# Altium PCB Board.PcbDoc (part 2 of 2)
Units mil, origin at the board's own origin, x right, y up, seen from the top; angles counter-clockwise.
Board outline 1037 x 1968 mil, 4 copper layers (Top Layer, GND, PWR, Bottom Layer), stack 23.756 mil thick; 83 components, 64 nets, 353 pads, 191 vias.
Unrouted connection lines stored in the file: 13.
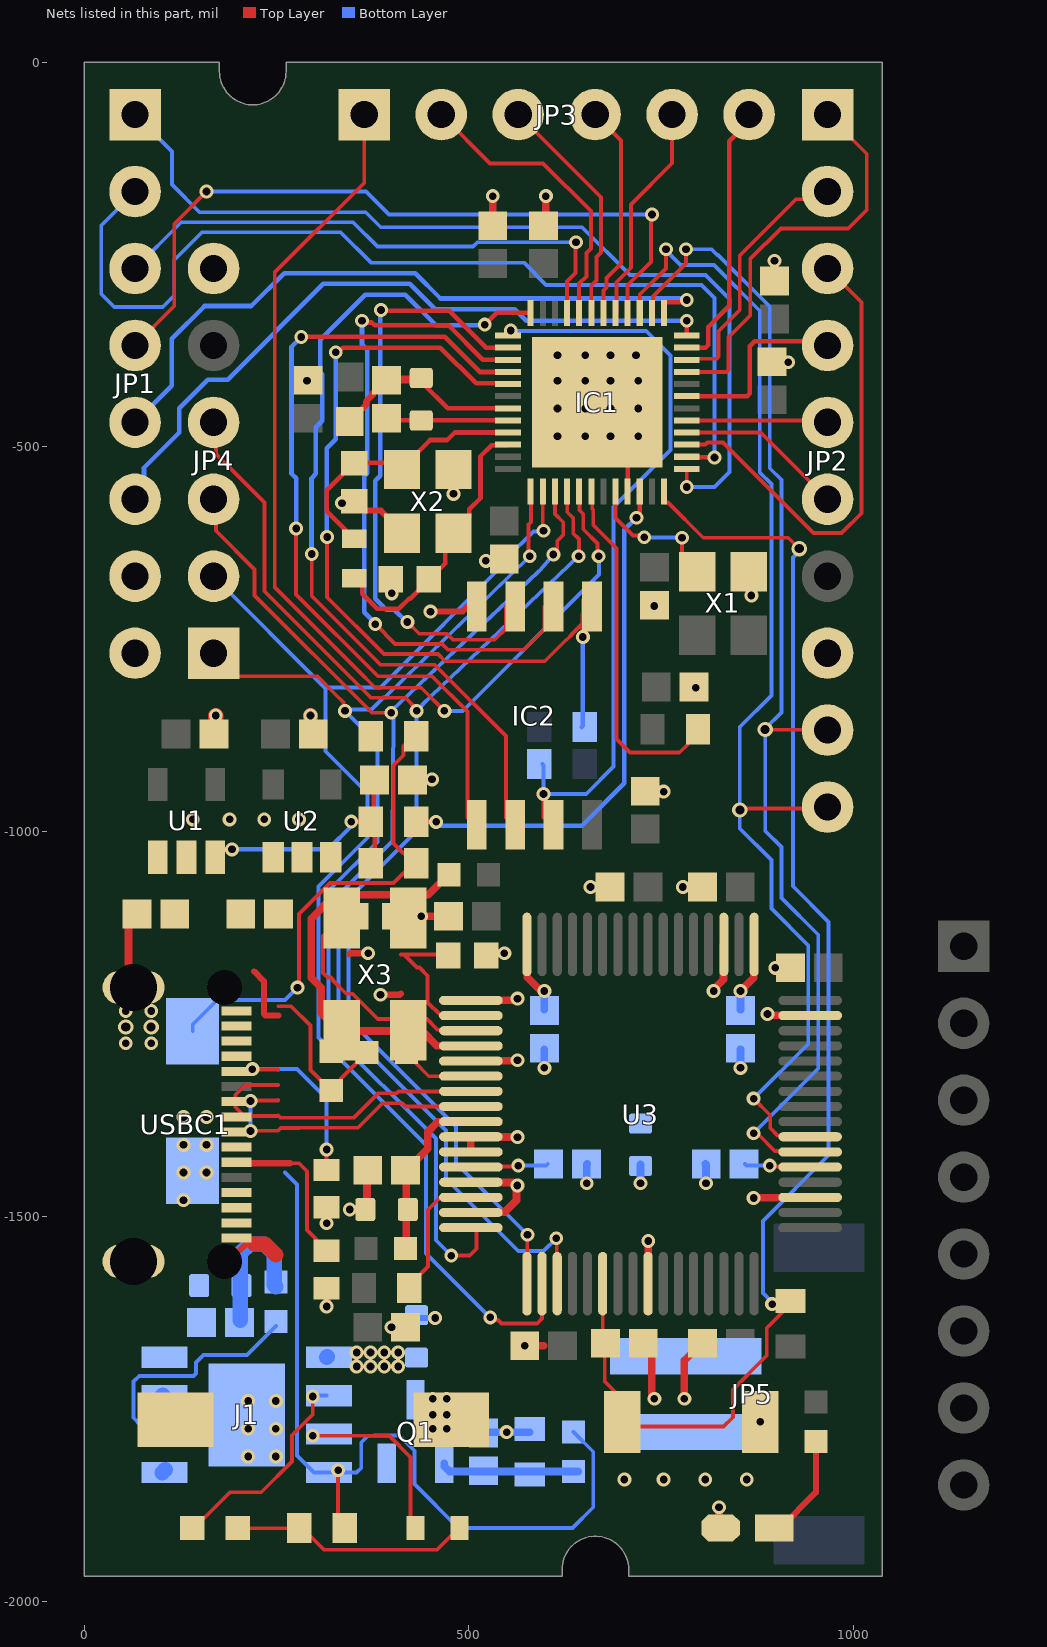
[diagram p4: the nets of this part, all layers, seen from the top]

## Via types
v1: diameter 17.99, hole 10, Top Layer to Bottom Layer, 168 vias
v2: diameter 18, hole 10, Top Layer to Bottom Layer, 18 vias
v3: diameter 19.68, hole 11.81, Top Layer to Bottom Layer, 5 vias

## Nets (pads, with @x,y where several pads share a name; then routed paths per layer and width w, separated by ;. In a path a pad name is that pad's centre, name@x,y a point inside that pad or via, vN(x,y) a via of type N, cw(c..) or ccw(c..) an arc to the next point about the centre after c; other vN are vias at no path point) (continued)
GND: C2.2 C3.2 C5.1 C7.2 C8.2 C10.1 C11.1 C14.1 C15.1 C16.1 C17.1 C18.1 C20.1 C21.1 C22.1 C23.2 C24.1 C25.1 C26.1 C27.1 C28.1 C29.1 C30.1 C31.1 C32.1 C33.1 C35.1 C36.1 C37.1 C38.1 C39.1 C40.1 C41.1 C42.1 C44.1 C45.1 C46.1 C47.1 IC1.21 IC1.49 IC2.4 J1.1 J1.3 J1.9 JP1.8 JP2.8 JP4.6 JP5.1 LED1.2 R12.1 R19.1 R20.1 R21.1 R24.1 SW2.2 U1.2 U2.2 U3.1 U3.5 U3.10 U3.11 U3.13 U3.15 U3.25 U3.35 U3.47 U3.51 USBC1.1 USBC1.2 USBC1.3 USBC1.4 USBC1.A1 USBC1.A12 USBC1.B1 USBC1.B12 X1.2 X2.2 X2.4 X3.2 X3.4 | length 2626.6
  Top Layer w5: 252.12,-1226.89 268.85,-1226.89 294,-1252.03 294,-1309.59 C35.1@321,-1336.59 333.5,-1324.09 333.5,-1320.91 R12.1@367.41,-1287
  Top Layer w6: IC1.49@666.86,-441.88 706.23,-481.25 IC1.21@706.23,-558.02
  Top Layer w8: USBC1.2@192,-1553.59 209.65,-1535.94 220.68,-1535.94 ; 220.68,-1181.61 233.48,-1194.41 233.48,-1236.79 235.39,-1238.7 252.12,-1238.7 ; v1(289.4,-414) C11.1@291,-412.41 ; v1(335,-573) 349.6,-573 351,-571.59 362,-582.59 385.63,-582.59 413.07,-610.03 X2.2@413.07,-612 ; 344.54,-1159.41 345.94,-1158 v1(369,-1158) ; v1(385.16,-1212) 410.06,-1212 411.46,-1210.59 ; C24.1@397.41,-672 399.56,-674.15 v1(399.56,-690.31) ; v1(450,-714) 491.54,-714 IC2.4@498,-707.54 ; v1(480,-561) X2.4@480,-529.32 ; v1(522,-648) 535,-648 535,-636 C15.1@535.5,-635.5 ; X1.2@864,-661.32 867,-664.32 v1(867,-693) ; SW2.2@871.68,-1767 v2(878.57,-1767)
  Top Layer w10: USBC1.3@57.3,-1181.61 57.41,-1181.49 57.41,-1117 C2.2@67.41,-1107 ; v2(315,-1617) R19.1@315,-1594.6 ; v2(315,-1509) R20.1@315,-1489.6 ; v1(345,-1491) C25.1@367.4,-1491 ; C25.1@367.41,-1488.41 C26.1@367.41,-1449 ; v1(399.41,-1644) C41.1@418.59,-1644 ; X3.2@403.59,-1110 C33.1@472.4,-1110 ; C14.1@427.59,-933 428.59,-932 v1(452,-932) ; U3.15@502.53,-1494.95 502.87,-1494.61 546.23,-1494.61 561.84,-1479 v1@561.84,-1458.16 ; U3.13@502.53,-1455.58 502.87,-1455.93 556.66,-1455.93 560.71,-1459.98 v1(562.87,-1459.98) ; U3.11@502.53,-1416.21 U3.10@502.53,-1396.53 502.76,-1396.76 562.76,-1396.76 v1(563,-1397) ; U3.5@502.53,-1298.1 502.87,-1297.76 562.24,-1297.76 v1(563,-1297) ; U3.1@502.53,-1219.36 502.87,-1219.02 558.82,-1219.02 560.84,-1217 v1(563,-1217) ; C39.1@523.59,-1161 526.59,-1158 v2(546,-1158) ; C18.1@531,-211.4 v1(531,-174) ; v1(572.59,-1668) 597,-1668 ; C10.1@585,-216 600,-201 v1(600,-174) ; v1(658,-1072) C28.1@682.4,-1072 ; C21.1@727.59,-1665 737.59,-1675 737.59,-1731.43 741,-1734.84 v1(741,-1737) ; C23.2@729,-946.41 730.59,-948 v2(753,-948) ; U3.25@732.84,-1587.47 732.92,-1587.39 732.92,-1532.08 v1(733,-1532) ; v1(778,-1072) C36.1@802.4,-1072 ; v1(780,-1737) 780,-1687.41 C27.1@802.41,-1665 ; C20.1@793.59,-812 v1(794.6,-813) ; v1(818,-1207) 818,-1204.84 830.92,-1191.91 830.92,-1146.87 U3.51@831.27,-1146.53 ; v2(825,-1878) 825,-1903 LED1.2@827,-1905 ; v1(870,-1476) 870.39,-1475.61 943.13,-1475.61 U3.35@943.47,-1475.27 ; v1(888,-1237) 890.16,-1237 891.87,-1238.7 943.13,-1238.7 U3.47@943.47,-1239.05 ; C5.1@894,-388.41 895.59,-390 v1(915,-390) ; C17.1@897,-283.4 v1(897,-258) ; v1(898,-1177) C29.1@916.82,-1177
  Top Layer w20: C3.2@169.59,-873 171,-871.59 v2(171,-849) ; 220.68,-1535.94 234.97,-1535.94 249,-1549.97 ; v2(294,-849) 294,-868.42 C8.2@298.59,-873
  Bottom Layer w8: C46.1@432,-1630.41 433.6,-1632 v2(456,-1632)
  Bottom Layer w10: C47.1@519,-1780.41 R24.1@579,-1780.41 ; v1(598,-1307) C30.1@598,-1282.6 ; v1(653,-1457) 653,-1432.6 C32.1@653.59,-1432 ; v1(723,-1457) C37.1@723,-1432.6 ; C31.1@807.41,-1432 808,-1432.59 v1(808,-1457) ; v1(853,-1307) C38.1@853,-1282.6
  Bottom Layer w20: J1.1@101.46,-1833 J1.1@105.24,-1829.22 ; J1.3@101.46,-1733 J1.3@102,-1732.46 ; C45.1@202.59,-1635 202.59,-1548.52 215.17,-1535.94 234.13,-1535.94 246.71,-1548.52 246.71,-1589.11 249,-1591.41
  other v1: 702,-1842 753,-1842 807,-1842 861,-1842 213,-1812 249,-1812 549,-1780.41 213,-1776 249,-1776 213,-1740 249,-1740 141,-984 189,-984 234,-984 279,-984 741,-706.6 615,-486 651,-486 684,-486 720,-486 615,-450 651,-450 684,-450 720,-450 615,-414 651,-414 684,-414 720,-414 615,-381 651,-381 684,-381 717,-381
  other v2: 438,-1110
HF_U1_RX: IC1.45 JP1.3 | length 709.7
  Top Layer w5: IC1.45@627.49,-325.74 627.49,-285.08 638.48,-274.09 638.48,-265.6 638.55,-265.53 638.55,-234.45 v1(639,-234)
  Bottom Layer w5: JP1.3@66,-268 126,-208 349.5,-208 381,-239.5 505.49,-239.5 510.99,-234 v1(639,-234)
HF_U1_TX: IC1.40 JP1.4 | length 970.8
  Top Layer w5: JP1.4@66,-368 117,-317 117,-210 v1(159,-168) ; IC1.40@706.23,-325.74 706.23,-289.77 736.5,-259.5 736.5,-199.5 v1(738,-198)
  Bottom Layer w5: v1(159,-168) 366,-168 396,-198 v1(738,-198)
I2C_SCL: IC1.37 JP1.5 | length 891.5
  Top Layer w6: IC1.37@753.47,-325.74 753.47,-312.94 754.41,-312.01 776.74,-312.01 779.75,-309 v1(783,-309)
  Bottom Layer w6: JP1.5@66,-468 113.62,-420.38 113.62,-359.5 156.37,-316.75 217.25,-316.75 260,-274 430,-274 463,-307 781,-307 v1(783,-309)
I2C_SDA: IC1.36 JP1.6 | length 907.8
  Top Layer w6: IC1.36@783,-355.27 v1(783,-336)
  Bottom Layer w6: JP1.6@66,-568 77.66,-556.34 77.66,-527.14 123.54,-481.26 123.54,-449.58 160.65,-412.46 186.42,-412.46 310.88,-288 423,-288 456,-321 559.29,-321 574.28,-336 v1(783,-336)
IO1: IC1.26 JP1.2 | length 1301.6
  Top Layer w6: IC1.26@783,-512.75 783.5,-513.25 818.5,-513.25 v1(819,-513.75)
  Bottom Layer w5: JP1.2@66,-168 22.04,-211.96 22.04,-301.04 39,-318 102,-318 117,-303 117,-256.82 152.82,-221 332.99,-221 372.49,-260.5 571.32,-260.5 600.32,-289.5 802.12,-289.5 819,-306.38 v1(819,-513.75)
IO9: IC1.33 JP2.1 | length 534.1
  Top Layer w5: IC1.33@783,-402.51 834.57,-402.51 837.5,-399.58 837.5,-357.46 865.5,-329.46 865.5,-255.93 905.42,-216 993,-216 1017,-192 1017,-119 JP2.1@966,-68
IO11: IC1.35 JP3.6 | length 350.9
  Top Layer w6: IC1.35@783,-371.02 807.48,-371.02 811,-367.5 811,-344.06 838.5,-316.55 838.5,-102.55 864,-77.05 JP3.6@864,-68
IO19: IC1.41 JP3.5 | length 288.2
  Top Layer w5: IC1.41@690.48,-325.74 691.68,-324.54 691.68,-285.93 710.5,-267.12 710.5,-184.8 764,-131.3 JP3.5@764,-68
IO20: IC1.42 JP3.4 | length 281
  Top Layer w5: JP3.4@664,-68 697.5,-101.5 697.5,-261.73 678.68,-280.55 678.68,-292.74 674.73,-296.68 IC1.42@674.73,-325.74
IO21: IC1.43 JP3.3 | length 307.4
  Top Layer w5: JP3.3@564,-68 671.5,-175.5 671.5,-247.46 665.68,-253.28 665.68,-283.66 658.98,-290.36 IC1.43@658.98,-325.74
IO22: IC1.44 JP3.2 | length 385
  Top Layer w5: JP3.2@464,-68 527.42,-131.42 596.42,-131.42 658.5,-193.5 658.5,-242.08 652.68,-247.89 652.68,-278.28 643.24,-287.72 IC1.44@643.24,-325.74
JTAG_TCK: IC1.13 JP4.1 U3.16 | length 1502.6
  Top Layer w5: JP4.1@168,-768 198,-798 303,-798 325.66,-820.66 336.84,-831.84 336.84,-840.84 v1(339,-843) ; v1(477,-1551) 501,-1551 510,-1542 510,-1517.78 506.85,-1514.64 U3.16@502.53,-1514.64 ; v1(579,-642) 577.5,-640.5 577.5,-600.92 580.5,-597.92 580.5,-558.28 IC1.13@580.24,-558.02
  Bottom Layer w5: v1(477,-1551) 457,-1531 457,-1399 317.5,-1259.5 317.5,-1076.73 381,-1013.23 381,-885 v1(339,-843) 340.87,-841.13 371.23,-841.13 373.3,-841.13 389.01,-825.42 390.53,-825.42 v1(579,-642)
JTAG_TDI: IC1.16 JP4.4 U3.17 | length 1770.2
  Top Layer w5: JP4.4@168,-468 171.14,-471.14 171.14,-508.96 234.5,-572.32 234.5,-687.62 372.88,-826 417.53,-826 432,-840.47 v1(432,-843) ; U3.17@575.36,-1587.47 575.77,-1587.06 575.77,-1524.24 v1(576.18,-1523.83) ; IC1.16@627.49,-558.02 627.74,-558.28 627.74,-584.78 635.5,-592.54 635.5,-612.27 643,-619.77 643,-641.58 v1(642.5,-642.08)
  Bottom Layer w5: v1(576.18,-1523.83) 483,-1430.65 483,-1383 343.5,-1243.5 343.5,-1087.5 432,-999 v1(432,-843) 436.96,-838.04 439.5,-835.5 439.5,-834.92 450.92,-823.5 v1(642.5,-642.08)
JTAG_TDO: IC1.14 JP4.2 U3.18 | length 1706.6
  Top Layer w5: v1(527.66,-1631.25) 530.91,-1634.5 537.52,-1634.5 542.33,-1639.31 588.67,-1639.31 595.05,-1632.93 U3.18@595.05,-1587.47 ; IC1.14@595.99,-558.02 595.99,-607.99 v1(597,-609)
  Bottom Layer w5: JP4.2@168,-668 312.42,-812.42 ; v1(527.66,-1631.25) 527.25,-1631.25 444,-1548 444,-1407 304.5,-1267.5 304.5,-1071.35 368,-1007.85 368,-950 313.5,-895.5 313.5,-813.5 312.42,-812.42 ; v1(597,-609) 596.24,-609.76 583.67,-609.76 550.5,-642.93 550.5,-647.07 385.15,-812.42 312.42,-812.42
JTAG_TMS: IC1.15 JP4.3 U3.19 | length 1715.5
  Top Layer w5: JP4.3@168,-568 171.14,-571.14 171.14,-608.96 221.5,-659.32 221.5,-693 373.99,-845.5 v1(399,-845.5) ; v1(609.74,-639.87) 611.36,-639.87 614.8,-636.44 614.8,-622.16 622.5,-614.45 622.5,-597.92 611.74,-587.16 IC1.15@611.74,-558.02 ; v1(613.5,-1528.5) 614.12,-1529.12 614.12,-1586.86 U3.19@614.73,-1587.47
  Bottom Layer w5: v1(399,-845.5) 401.93,-848.43 401.93,-850.07 400.54,-1012.08 330.5,-1082.12 330.5,-1248.88 470,-1388.38 470,-1451 564,-1545 597,-1545 v1(613.5,-1528.5) ; v1@399,-843 590.51,-661.87 592.1,-660.28 v1(609.74,-639.87)
NetC14_2: C14.2 R3.1 R4.1 U1.3 | length 314.4
  Top Layer w6: U1.3@170.4,-1024.24 171.65,-1023 v1(192,-1023) ; v1(347,-987) 376.41,-987 C14.2@376.41,-933 ; R3.1@377.41,-1032 R4.1@377.41,-992
  Bottom Layer w6: v1(192,-1023) 317,-1023 v1@348,-992
NetC25_2: C25.2 C26.2 R9.2 U3.9 | length 201.8
  Top Layer w10: R9.2@418.59,-1536.99 C25.2@418.59,-1497 ; C25.2@418.59,-1488 C26.2@418.59,-1449 ; C26.2@418.59,-1440 446.59,-1412 446.59,-1390.29 459.7,-1377.19 502.18,-1377.19 U3.9@502.53,-1376.84
NetC35_2: C35.2 R10.2 U3.4 | length 585.6
  Top Layer w10: R10.2@473,-1056 447,-1082 332.03,-1082 331.28,-1082.75 325.28,-1082.75 294.91,-1113.11 294.91,-1189.86 307.91,-1202.86 307.91,-1235.66 321,-1248.75 C35.2@321,-1285.41 339.41,-1267.01 339.41,-1266.62 347.02,-1259 438.97,-1259 458.04,-1278.07 502.18,-1278.07 U3.4@502.53,-1278.42
NetC39_2: C39.2 U3.2 X3.1 | length 201.9
  Top Layer w5: 411.46,-1159.41 415.4,-1159.41 ; C39.2@472.41,-1161 470.83,-1159.41 415.4,-1159.41 ; U3.2@502.53,-1239.05 501.22,-1237.74 462.28,-1237.74 446.32,-1221.79 446.32,-1187.29 435.69,-1176.66 435.52,-1176.66 435.45,-1176.59 432.59,-1176.59 415.4,-1159.41
NetC40_2: C40.2 U3.3 X3.3 | length 330.4
  Top Layer w5: X3.3@352.41,-1104 352.41,-1110 339.91,-1122.5 323.29,-1122.5 310.41,-1135.38 310.41,-1183.44 316.56,-1189.59 320.48,-1189.59 323.41,-1192.52 323.41,-1193.41 340.6,-1210.59 348.47,-1210.59 381.39,-1243.5 445.39,-1243.5 459.32,-1257.43 501.22,-1257.43 U3.3@502.53,-1258.73
NetC47_2: C47.2 Q1.1 R23.1 R24.2 | length 180.6
  Bottom Layer w10: Q1.1@468,-1821 468,-1824.78 474.81,-1831.59 519,-1831.59 579,-1831.59 R23.1@642,-1831.59
NetJ1_2: J1.2 R21.2 | length 318.5
  Bottom Layer w5: J1.2@101.46,-1783 85.22,-1783 85.22,-1780 76.94,-1771.72 73.94,-1771.72 63.94,-1761.72 63.94,-1714.8 71.46,-1707.28 142.19,-1707.28 145.12,-1704.35 145.12,-1689.82 154.94,-1680 211.59,-1680 249,-1642.59
NetJ1_6: J1.6 LED3.2 | length 285.1
  Top Layer w5: LED3.2@135,-1905.26 142.5,-1905.26 189.28,-1858.48 230.09,-1858.48 270,-1818.57 270,-1784.43 297,-1757.43 v1(297,-1734)
  Bottom Layer w5: v1(297,-1734) 298,-1733 J1.6@315,-1733
NetJ1_7: J1.7 LED2.2 | length 230.9
  Top Layer w5: v1(297,-1785) 396,-1785 424,-1812.99 LED2.2@424,-1905.26
NetLED1_1: LED1.1 R1.2 | length 139.2
  Top Layer w8: LED1.1@897,-1905 904.5,-1905 951,-1858.5 R1.2@951,-1792.59
NetLED2_1: LED2.1 LED3.1 R22.1 | length 312.4
  Top Layer w5: LED3.1@205,-1905.26 283.15,-1905.26 283.41,-1905 311.66,-1933.26 458.5,-1933.26 486.5,-1905.26 LED2.1@494,-1905.26
NetQ1_3: Q1.3 S1.2
  other v1: 453,-1776 471,-1776 453,-1758 471,-1758 453,-1737 471,-1737
NetR7_1: R7.1 U2.3
NetR11_1: R11.1 U3.14 | length 185.8
  Top Layer w5: R11.1@418.59,-1603 418.59,-1593 446.68,-1564.91 446.68,-1491.32 461.43,-1476.57 501.22,-1476.57 U3.14@502.53,-1475.27
NetR12_2: R12.2 U3.6 | length 106.3
  Top Layer w5: U3.6@502.53,-1317.79 447.79,-1317.79 ; 447.79,-1317.79 429.56,-1299.56 447.79,-1317.79
NetR19_2: R19.2 USBC1.B5 | length 209
  Top Layer w5: 267.31,-1430.95 279.17,-1430.95 289.5,-1441.28 289.5,-1517.91 R19.2@315,-1543.41
  Top Layer w8: USBC1.B5@198,-1429.68 199.26,-1430.95 267.31,-1430.95
NetR20_2: R20.2 USBC1.A5 | length 238
  Top Layer w5: v2(218.45,-1308.63) 218.92,-1309.1 251.73,-1309.1 252.19,-1309.56 ; R20.2@315,-1438.41 v2(315,-1413)
  Bottom Layer w5: v2(218.45,-1308.63) 276.63,-1308.63 315,-1347 v2(315,-1413)
PLL_AVDD: C12.2 C13.2 IC1.7 R2.2 | length 243
  Top Layer w6: C13.2@440.3,-417.7 472.35,-449.76 IC1.7@550.72,-449.76
  Top Layer w8: R2.2@348,-463.59 366,-445.58 366,-441.37 375,-432.38 375,-430.42 C12.2@393,-412.41
  Top Layer w10: C12.2@393,-412.41 C13.2@435,-412.41 ; C13.2@438,-412.41 C13.2@443.3,-417.7
PLL_AVSS: C12.1 C13.1 IC1.8 | length 158.5
  Top Layer w6: C12.1@393,-463.59 394.91,-465.5 435,-465.5 IC1.8@550.72,-465.5
PWM: IC1.25 JP1.1 | length 1209
  Top Layer w5: v1(783,-552) IC1.25@783,-528.5
  Bottom Layer w5: JP1.1@66,-68 114,-116 114,-159 150,-195 365.88,-195 385.38,-214.5 647.08,-214.5 709.07,-276.5 807.5,-276.5 838.5,-307.5 838.5,-532.5 819,-552 v1(783,-552)
QSPI_CS0: IC1.5 IC2.1 R16.1 | length 1123.1
  Top Layer w5: v1(315.71,-616.91) 315.71,-695.29 389.42,-769 459.74,-769 469.26,-778.52 598.48,-778.52 626.48,-750.52 627.14,-750.52 633.3,-744.36 633.3,-743.7 IC2.1@648,-729 ; IC2.1@648,-717.67 IC2.1@648,-698.54
  Top Layer w6: v1(326.84,-377) 330.09,-377 336.08,-371 462.8,-371 509.25,-417.45 549.91,-417.45 IC1.5@550.72,-418.26 ; v1(648,-747) 648,-729 IC2.1@648,-717.67
  Bottom Layer w6: v1(315.71,-616.91) 315,-616.2 315,-501.72 326.84,-489.88 v1(326.84,-377) ; R16.1@646.59,-864 648,-862.6 v1(648,-747)
QSPI_DQ0: IC1.4 IC2.5 | length 1053.7
  Top Layer w5: v1(275.42,-606) 275.42,-691.77 381.65,-798 451.97,-798 498,-844.03 IC2.5@498,-982
  Top Layer w6: v1(282,-357) 468.6,-357 514.11,-402.51 IC1.4@550.72,-402.51
  Bottom Layer w6: v1(275.42,-606) 275.42,-540.75 269.41,-534.73 269.41,-369.86 282,-357.26 v1(282,-357)
QSPI_DQ1: IC1.3 IC2.2 | length 889.5
  Top Layer w5: v1(378.3,-730.31) 403.99,-756 465.13,-756 472.64,-763.52 571.48,-763.52 598,-737 IC2.2@598,-707.54
  Top Layer w6: v1(360.92,-336) 363.22,-338.3 373.76,-338.3 377.46,-342 473.4,-342 518.16,-386.76 IC1.3@550.72,-386.76
  Bottom Layer w6: v1(360.92,-336) 360.92,-366.77 368,-373.85 368,-534.2 364,-538.2 364,-714.91 378.3,-729.22 v1(378.3,-730.31)
QSPI_DQ2: IC1.2 IC2.3 | length 790.1
  Top Layer w5: v1(420,-727.5) 435.34,-742.85 471.77,-742.85 479.44,-750.52 533.48,-750.52 548,-736 IC2.3@548,-707.54
  Top Layer w6: v1(385.74,-322) 386.74,-323 474.2,-323 522.21,-371.02 IC1.2@550.72,-371.02
  Bottom Layer w6: v1(385.74,-322) 384.76,-322.98 384.76,-537.24 378,-544 378,-697.03 392.59,-711.62 403.12,-711.62 419,-727.5 v1(420,-727.5)
QSPI_DQ3: IC1.1 IC2.7 R17.1 | length 972.6
  Top Layer w6: IC1.1@550.72,-355.27 553.28,-355.27 554.22,-354.33 v1(554.22,-348.67) ; v1(597,-951) 597,-981 IC2.7@598,-982
  Bottom Layer w5: v1(554.22,-348.67) 555.06,-349.5 730.5,-349.5 762,-381 762,-504 688,-578 688,-915.43 652.43,-951 v1(597,-951) 597,-913.59 R17.1@595.41,-912
QSPI_SCK: IC1.48 IC2.6 | length 1095.2
  Top Layer w5: v1(295.71,-639) 295.71,-693.67 385.04,-783 455.36,-783 548,-875.64 IC2.6@548,-982
  Top Layer w6: v1(520.48,-341) 520.77,-341 536.03,-325.74 IC1.48@580.24,-325.74
  Bottom Layer w6: v1(295.71,-639) 295.42,-638.71 295.42,-540.55 301,-534.97 301,-474.54 309.4,-466.14 309.4,-405.72 306.85,-403.17 306.85,-360.4 365.25,-302 417.2,-302 457.2,-342 519.48,-342 v1(520.48,-341)
RESET: C21.2 IC1.24 R6.1 SW2.1 U3.22 | length 1794.5
  Top Layer w5: C21.2@673.79,-1662 U3.22@673.79,-1587.47 ; C21.2@676.41,-1665 676.41,-1714.41 692.13,-1730.13 693.07,-1730.13 706.32,-1743.38 706.32,-1767 712.32,-1773 831,-1773 843,-1761 843,-1725 887.04,-1680.96 887.04,-1644.96 918,-1614 v2(894,-1614) ; IC1.24@753.47,-558.02 753.47,-570.82 754.91,-572.26 758.83,-572.26 804.57,-618 915,-618 v3(929.22,-632.22)
  Bottom Layer w5: v2(894,-1614) 894,-1611.52 882,-1599.52 882,-1506 967.5,-1420.5 967.5,-1117.5 921,-1071 921,-643.71 929.22,-635.48 v3(929.22,-632.22)
RST: IC1.34 JP2.2 | length 334.5
  Top Layer w5: IC1.34@783,-386.76 784.31,-385.45 821.57,-385.45 824.5,-382.52 824.5,-349.7 852,-322.2 852,-251.04 925.04,-178 956,-178 JP2.2@966,-168
RTC_XI: IC1.20 X1.3 | length 183.1
  Top Layer w5: IC1.20@690.48,-558.02 690.48,-592.3 713.11,-614.93 725.24,-614.93 v1(727.72,-617.41) ; v1(777,-618) 777,-641.25 X1.3@797.07,-661.32
  Bottom Layer w5: v1(727.72,-617.41) 728.02,-617.71 776.71,-617.71 v1(777,-618)
SPI_CS0: IC1.27 JP2.3 | length 624
  Top Layer w5: IC1.27@783,-497 807.42,-497 810.17,-494.25 830.08,-494.25 947.79,-611.96 984.21,-611.96 1009.96,-586.21 1009.96,-311.96 JP2.3@966,-268
SPI_MISO: IC1.29 JP2.5 | length 175.6
  Top Layer w5: IC1.29@783,-465.5 956.5,-465.5 JP2.5@958,-467
SPI_MOSI: IC1.28 JP2.6 | length 218.9
  Top Layer w5: IC1.28@783,-481.25 879.25,-481.25 JP2.6@966,-568
SPI_SCK: IC1.31 JP2.4 | length 242.7
  Top Layer w6: IC1.31@783,-434.01 861.48,-434.01 865,-430.49 865,-419.73 865,-368.85 871.44,-362.41 887,-362.41 953.41,-362.41 JP2.4@958,-367
UART0_RX: IC1.38 JP2.9 U3.38 | length 1558.6
  Top Layer w5: IC1.38@737.72,-325.74 739.04,-324.43 739.04,-304.66 782,-261.69 v1(782,-243) ; v1(870,-1392) 874.6,-1392 897.51,-1414.91 942.17,-1414.91 U3.38@943.47,-1416.21 ; v3(885,-867) 885.5,-867.5 965.5,-867.5 JP2.9@966,-868
  Bottom Layer w5: v1(782,-243) 815.21,-243 822.71,-250.5 823.88,-250.5 891,-317.62 891,-527.62 906,-542.62 906,-845.09 885,-866.09 885,-999 906,-1020 906,-1086 954,-1134 954,-1308 v1(870,-1392)
UART0_TX: IC1.39 JP2.10 U3.39 | length 1585.8
  Top Layer w5: IC1.39@721.98,-325.74 721.98,-302.08 756,-268.05 v1(756,-243) ; v3(852,-972) 854,-970 964,-970 JP2.10@966,-968 ; v1(870,-1347) 891.5,-1368.5 891.5,-1385.17 900.97,-1394.64 901.35,-1394.64 901.93,-1395.22 942.17,-1395.22 U3.39@943.47,-1396.53
  Bottom Layer w5: v1(756,-243) 756,-244.58 774.92,-263.5 818.5,-263.5 878,-323 878,-533 893,-548 893,-823 852,-864 v3(852,-972) 852,-996 893,-1037 893,-1100 941,-1148 941,-1276 v1(870,-1347)
USB_D_N: U3.7 USBC1.A7 USBC1.B7 | length 403.8
  Top Layer w5: 252.1,-1329.24 209.18,-1329.24 196.5,-1341.92 196.5,-1358.08 207.92,-1369.5 251.24,-1369.5 252.12,-1368.62 255.4,-1371.9 350.1,-1371.9 381.95,-1340.05 405.61,-1340.05 408.19,-1337.47 U3.7@502.53,-1337.47
USB_D_P: U3.8 USBC1.A6 USBC1.B6 | length 378.7
  Top Layer w5: v1(216,-1389) 216.35,-1388.65 251.83,-1388.65 255.46,-1385.02 279.11,-1385.02 279.23,-1384.9 355.49,-1384.9 387.34,-1353.05 413.57,-1353.05 417.68,-1357.16 U3.8@502.53,-1357.16 ; v1(216,-1350) 216.53,-1349.47 251.65,-1349.47 252.18,-1348.93
  Bottom Layer w5: v1(216,-1389) v1(216,-1350)
V_BUS: C2.1 C7.1 D1.2 JP1.7 Q1.2 R3.2 R7.2 U1.1 U2.1 | length 623.3
  Top Layer w5: v1(277.05,-1202.7) 279.09,-1200.67 279.09,-1106.91 319.5,-1066.5 402.09,-1066.5 427.59,-1041 402.09,-1015.5 402.09,-913.65 415.09,-900.65 415.09,-888.5 R7.2@427.59,-876
  Bottom Layer w5: D1.2@141,-1259.45 141,-1250.59 172.95,-1218.64 261.11,-1218.64 v1(277.05,-1202.7)
  other v1: 54,-1275 87,-1275 54,-1233 87,-1233
  other v3: 54,-1254 87,-1254
VBAT: C46.2 J1.5 JP5.2 S1.1 | length 1
  Bottom Layer w20: J1.5@315,-1683 J1.5@315.71,-1682.29
  other v1: 354,-1695 372,-1695 390,-1695 408,-1695 354,-1677 372,-1677 390,-1677 408,-1677
VCORE_FT: C30.2 C31.2 C32.2 C37.2 C38.2 U3.12 U3.37 U3.49 U3.64 | length 377.2
  Top Layer w5: U3.12@502.53,-1435.9 503.48,-1434.95 563.05,-1434.95 v1(564,-1434) ; v1(891,-1434) 891.95,-1434.95 942.52,-1434.95 U3.37@943.47,-1435.9
  Top Layer w10: U3.64@575.36,-1146.53 575.71,-1146.87 575.71,-1189.36 591.82,-1205.47 596.47,-1205.47 v1(598,-1207) ; v1(853,-1207) 870.29,-1189.71 870.29,-1146.87 U3.49@870.64,-1146.53
  Bottom Layer w5: v1(564,-1434) 600.42,-1434 C32.2@602.41,-1432 ; C31.2@858.59,-1432 860.59,-1434 v1(891,-1434)
  Bottom Layer w10: C30.2@598,-1231.41 v1(598,-1207) ; C38.2@853,-1231.41 v1(853,-1207)
VDD_CORE_EN: IC1.22 R4.2 | length 683.8
  Top Layer w6: R4.2@427.59,-987 427.89,-987.3 v1(457.35,-987.3) ; v1(717.72,-591.96) 717.72,-590.17 721.98,-585.91 IC1.22@721.98,-558.02
  Bottom Layer w6: v1@458.35,-992.3 646.9,-992.3 702,-937.2 702,-607.69 v1(717.72,-591.96)
VUSB: C44.2 C45.2 D1.1 J1.4 J1.8 R22.2 R23.2 USBC1.A4 USBC1.A9 USBC1.B4 USBC1.B9 | length 1079.3
  Top Layer w5: v2(330,-1830) 330,-1900.42 R22.2@334.59,-1905
  Bottom Layer w5: 260.86,-1442.86 276.46,-1458.46 276.46,-1810.7 298.76,-1833 J1.8@318,-1833 354,-1833 360,-1827 360,-1794 369,-1785 376.95,-1785 377.04,-1784.91 409.36,-1784.91 429,-1804.55 429,-1848 486,-1905 634.5,-1905 661.5,-1878 661.5,-1805.91 R23.2@636,-1780.41
  other v1: 129,-1479 129,-1443 159,-1443 129,-1407 159,-1407 129,-1371 159,-1371
WAKE: IC1.18 R5.1 | length 464.4
  Top Layer w5: IC1.18@658.98,-558.02 660.3,-559.33 660.3,-580.56 661.5,-581.77 661.5,-601.5 691.68,-631.68 691.68,-879.49 709.38,-897.19 773.31,-897.19 773.68,-896.82 774,-896.82 784.28,-886.54 784.28,-880.25 R5.1@797.53,-867
WF_RESET: IC1.17 JP3.1 | length 1342.5
  Top Layer w5: JP3.1@364,-68 364,-156.92 247.5,-273.42 247.5,-682.23 354.59,-789.33 378.27,-813 438,-813 v1(468,-843) ; IC1.17@643.24,-558.02 643.6,-558.39 643.6,-582.26 648.5,-587.15 648.5,-606.88 667.12,-625.5 667.12,-640.62 v1(668.5,-642)
  Bottom Layer w5: v1(468,-843) 492,-843 669,-666 669,-642.5 v1(668.5,-642)
XTAL_XI: C22.2 IC1.9 R18.2 X2.1 | length 353.3
  Top Layer w6: R18.2@351,-619.41 315,-583.41 315,-556.42 351,-520.41 404.16,-520.41 X2.1@413.07,-529.32 413.07,-527.35 449.43,-491 472,-491 481.75,-481.25 IC1.9@550.72,-481.25
XTAL_XO: C24.2 IC1.10 R18.1 X2.3 | length 365
  Top Layer w6: R18.1@351,-670.59 361.44,-681.03 361.44,-690.89 380.86,-710.31 408.92,-710.31 422.07,-697.15 423.44,-697.15 469.08,-651.51 469.08,-622.92 500.62,-591.38 500.62,-581.09 515.03,-566.69 515.03,-512.21 529.43,-497.81 549.91,-497.81 IC1.10@550.72,-497
pads on no net: *.1 *.2 *.3 *.4 *.5 *.6 *.7 *.8 JP5.0 U1.4 U2.4 U3.21 U3.23 U3.24 U3.26 U3.27 U3.28 U3.29 U3.30 U3.32 U3.33 U3.34 U3.36 U3.40 U3.41 U3.43 U3.44 U3.45 U3.46 U3.48 U3.52 U3.53 U3.54 U3.55 U3.57 U3.58 U3.59 U3.60 U3.61 U3.62 U3.63 USBC1.A8 USBC1.B8 X1.1
copper on no net: | length 171.5
  Top Layer w5: 320.4,-1024.24 327.5,-1017.14 327.5,-978.92 338.92,-967.5 338.98,-967.5 342.71,-963.77 342.71,-909.7 376.41,-876

## Polygon pours and split planes (outlines as drawn)
VUSB on Top Layer "VC" (solid, pour order 7): 150,-1311 111,-1311 111,-1501.5 196.5,-1501.5 196.5,-1470 276,-1470 276,-1252.6 208.4,-1252.6
GND on Top Layer "VC" (solid, pour order 5): 51,-1065 84,-1065 84,-1203 51,-1203
V_BUS on Top Layer "VC" (solid, pour order 4): 113.19,-1011 113.19,-1056 190.21,-1056 190.21,-1011 261,-1011 261,-1131 177,-1131 159,-1149 159,-1293 33,-1293 33,-1215 117,-1215 117,-1152 54,-1089 54,-1011
GND on Top Layer "VC" (solid, pour order 1): 261,-1059 237,-1083 237,-1131 267,-1131 300,-1098 300,-969 120,-969 120,-1056 147,-1056 147,-996 261,-996
VBAT on Top Layer "VBAT_L01_P015" (solid, pour order 15): 447,-1668 447,-1701 441,-1707 192,-1707 168,-1731 168,-1800 69,-1800 69,-1668
3V3 on Top Layer "VC" (solid, pour order 6): 195,-834 267,-834 267,-969 228,-969 195,-936
1V8 on Top Layer "VC" (solid, pour order 2): 135,-909 115.46,-909 115.46,-969 78,-969 78,-910.5 39,-910.5 39,-835.5 135,-835.5
VCORE_FT on Bottom Layer "VC" (solid, pour order 12): 613.29,-1215 613.29,-1224.67 639.62,-1251 797.08,-1251 833.08,-1215 870,-1215 870,-1265.59 830,-1305.59 830,-1365.99 873,-1409 873,-1449 582,-1449 582,-1407 621,-1368 621,-1298.59 582,-1259.59 582,-1215
V_BUS on Bottom Layer "VC" (solid, remove dead copper, pour order 11): 126,-630 126,-1020 165,-1059 165,-1311.27 132,-1311.27 96,-1347.27 96,-1473 126,-1503 126,-1652.74 63.94,-1714.8 66.44,-1717.3 66.44,-1854.78 356.22,-1854.78 381,-1830 381,-1797 405,-1797 405,-2016 -63,-2016 -63,-630
VUSB on Bottom Layer "VC" (solid, pour order 9): 132,-1311.27 96,-1347.27 96,-1476.25 132,-1512.9 132,-1608 72,-1668 72,-1695 129,-1695 132,-1698 168,-1662 168,-1501.77 196.23,-1501.77 196.23,-1470.27 279,-1470.27 279,-1311.27 197.73,-1311.27
NetQ1_3 on Bottom Layer "NETQ1_3_L04_P016" (solid, pour order 16): 420,-1713 459,-1713 480,-1734 480,-1788 432,-1788 420,-1776
GND on Bottom Layer "VC" (solid, remove dead copper, pour order 14): 85.22,-1746 159,-1746 159,-1794 132,-1821 84,-1821 84,-1845 132,-1845 135,-1848 159,-1824 261,-1824 261,-1692 189,-1692 162,-1719 85.22,-1719
GND on Bottom Layer "gnd" (solid, pour order 10): 684,-1771.5 882,-1771.5 882,-1858.5 684,-1858.5
VBAT on Bottom Layer "VC" (solid, pour order 13): 465,-1704 486,-1725 675,-1725 694.5,-1705.5 879,-1705.5 879,-1659 666,-1659 639,-1686 501,-1686 480,-1665 288,-1665 288,-1704
GND on GND (split plane): 977.54,-1908.54 753.79,-1908.54 753.31,-1907.61 748.5,-1900.05 743.04,-1892.94 736.98,-1886.33 730.37,-1880.27 723.26,-1874.81 715.69,-1869.99 707.74,-1865.85 699.46,-1862.42 690.91,-1859.73 682.15,-1857.79 673.26,-1856.62 664.31,-1856.22 655.35,-1856.62 646.46,-1857.79 637.71,-1859.73 629.16,-1862.42 620.87,-1865.85 612.92,-1869.99 605.36,-1874.81 598.24,-1880.27 591.63,-1886.33 585.58,-1892.94 580.12,-1900.05 575.3,-1907.61 574.82,-1908.54 59.46,-1908.54 59.46,-59.46 127.95,-59.46 129.99,-63.39 134.81,-70.95 140.27,-78.06 146.33,-84.67 152.94,-90.73 160.05,-96.19 167.61,-101.01 175.57,-105.15 183.85,-108.58 192.4,-111.27 201.15,-113.21 210.04,-114.38 219,-114.78 227.96,-114.38 236.85,-113.21 245.6,-111.27 254.15,-108.58 262.43,-105.15 270.39,-101.01 277.95,-96.19 285.06,-90.73 291.67,-84.67 297.73,-78.06 303.19,-70.95 308.01,-63.39 310.05,-59.46 977.54,-59.46
3V3 on PWR (split plane): 1016.9,-1947.9 726.64,-1947.9 726.12,-1944.89 724.16,-1938.06 721.43,-1931.49 718,-1925.27 713.88,-1919.47 709.14,-1914.16 703.84,-1909.43 698.04,-1905.31 691.82,-1901.87 685.25,-1899.15 678.42,-1897.18 671.41,-1895.99 664.31,-1895.59 657.21,-1895.99 650.2,-1897.18 643.37,-1899.15 636.8,-1901.87 630.57,-1905.31 624.77,-1909.43 619.47,-1914.16 614.73,-1919.47 610.62,-1925.27 607.18,-1931.49 604.46,-1938.06 602.49,-1944.89 601.98,-1947.9 579,-1947.9 20.1,-1947.9 20.1,-910.08 123,-910.08 124.56,-909.77 125.88,-908.88 126.77,-907.56 127.08,-906 127.08,-411 127.08,-316.08 214.92,-316.08 214.92,-411 215.23,-412.56 216.12,-413.88 217.44,-414.77 219,-415.08 369,-415.08 370.56,-414.77 371.88,-413.88 372.77,-412.56 373.08,-411 373.08,-244.08 580.92,-244.08 580.92,-279 581.23,-280.56 582.12,-281.88 583.44,-282.77 585,-283.08 823.92,-283.08 823.92,-468 824.23,-469.56 825.12,-470.88 826.44,-471.77 828,-472.08 930,-472.08 931.56,-471.77 932.88,-470.88 933.77,-469.56 934.08,-468 934.08,-414 933.77,-412.44 932.88,-411.12 931.56,-410.23 930,-409.92 877.08,-409.92 877.08,-132 876.77,-130.44 875.88,-129.12 874.56,-128.23 873,-127.92 718.08,-127.92 718.08,-20.1 1016.9,-20.1
1V8 on PWR (split plane): 709.92,-132 710.23,-133.56 711.12,-134.88 712.44,-135.77 714,-136.08 868.92,-136.08 868.92,-414 869.23,-415.56 870.12,-416.88 871.44,-417.77 873,-418.08 925.92,-418.08 925.92,-463.92 832.08,-463.92 832.08,-279 831.77,-277.44 830.88,-276.12 829.56,-275.23 828,-274.92 589.08,-274.92 589.08,-240 588.77,-238.44 587.88,-237.12 586.56,-236.23 585,-235.92 369,-235.92 367.44,-236.23 366.12,-237.12 365.23,-238.44 364.92,-240 364.92,-406.92 223.08,-406.92 223.08,-312 222.77,-310.44 221.88,-309.12 220.56,-308.23 219,-307.92 123,-307.92 121.44,-308.23 120.12,-309.12 119.23,-310.44 118.92,-312 118.92,-411 118.92,-901.92 20.1,-901.92 20.1,-20.1 156.16,-20.1 157.18,-26.11 159.15,-32.94 161.87,-39.51 165.31,-45.73 169.43,-51.53 174.16,-56.84 179.47,-61.57 185.27,-65.69 191.49,-69.13 198.06,-71.85 204.89,-73.82 211.9,-75.01 219,-75.41 226.1,-75.01 233.11,-73.82 239.94,-71.85 246.51,-69.13 252.73,-65.69 258.53,-61.57 263.84,-56.84 268.57,-51.53 272.69,-45.73 276.13,-39.51 278.85,-32.94 280.82,-26.11 281.84,-20.1 294,-20.1 709.92,-20.1

## Keep-outs
Keep-Out Layer:
  lines w10: 0,-1968 0,0 150,0 175.69,0 175.69,-12 ccw(c219,-12) 262.31,-12 262.31,0 294,0 1037,0 1037,-1968 756,-1968 707.61,-1968 707.61,-1959 ccw(c664.31,-1959) 621,-1959 621,-1968 579,-1968 0,-1968

## Other copper
PWR (plane layer: these items are gaps in the copper):
  lines w8: 3,-906 123,-906 123,-411 123,-312 219,-312 219,-411 369,-411 369,-240 585,-240 585,-279 828,-279 828,-468 930,-468 930,-414 873,-414 873,-132 714,-132 714,-12

## Silkscreen, mask and mechanical layers (free items; w line width, h text height)
Top Overlay:
  drawing of 5 lines, arcs and shapes, not listed
  text "Athena" at 261,-213 h100
  text "V1.2" at 348,-303 h100
  text "RX" at 822,-894 h100
  text "TX" at 821,-995 h100
  text "rst" at 597,-1784.33 h80
Bottom Overlay:
  drawing of 5 lines, arcs and shapes, not listed
  text "Proudly Made in USA" at 767.94,-308.96 h60
Mechanical 1:
  lines w10: 0,-1968 579,-1968 621,-1968 621,-1959 cw(c664.31,-1959) 707.61,-1959 707.61,-1968 756,-1968 1037,-1968 1037,0 294,0 262.31,0 262.31,-12 cw(c219,-12) 175.69,-12 175.69,0 150,0 0,0 0,-1968